# Altium PCB DM1092.PcbDoc (part 4 of 5)
Units mm, origin at the board's own origin, x right, y up, seen from the top; angles counter-clockwise.
Board outline 60 x 45 mm, 6 copper layers (Layer 1, Layer 2, Layer 3, Layer 4, Layer 5, Layer 6), stack 1.599 mm thick; 208 components, 159 nets, 838 pads, 480 vias.
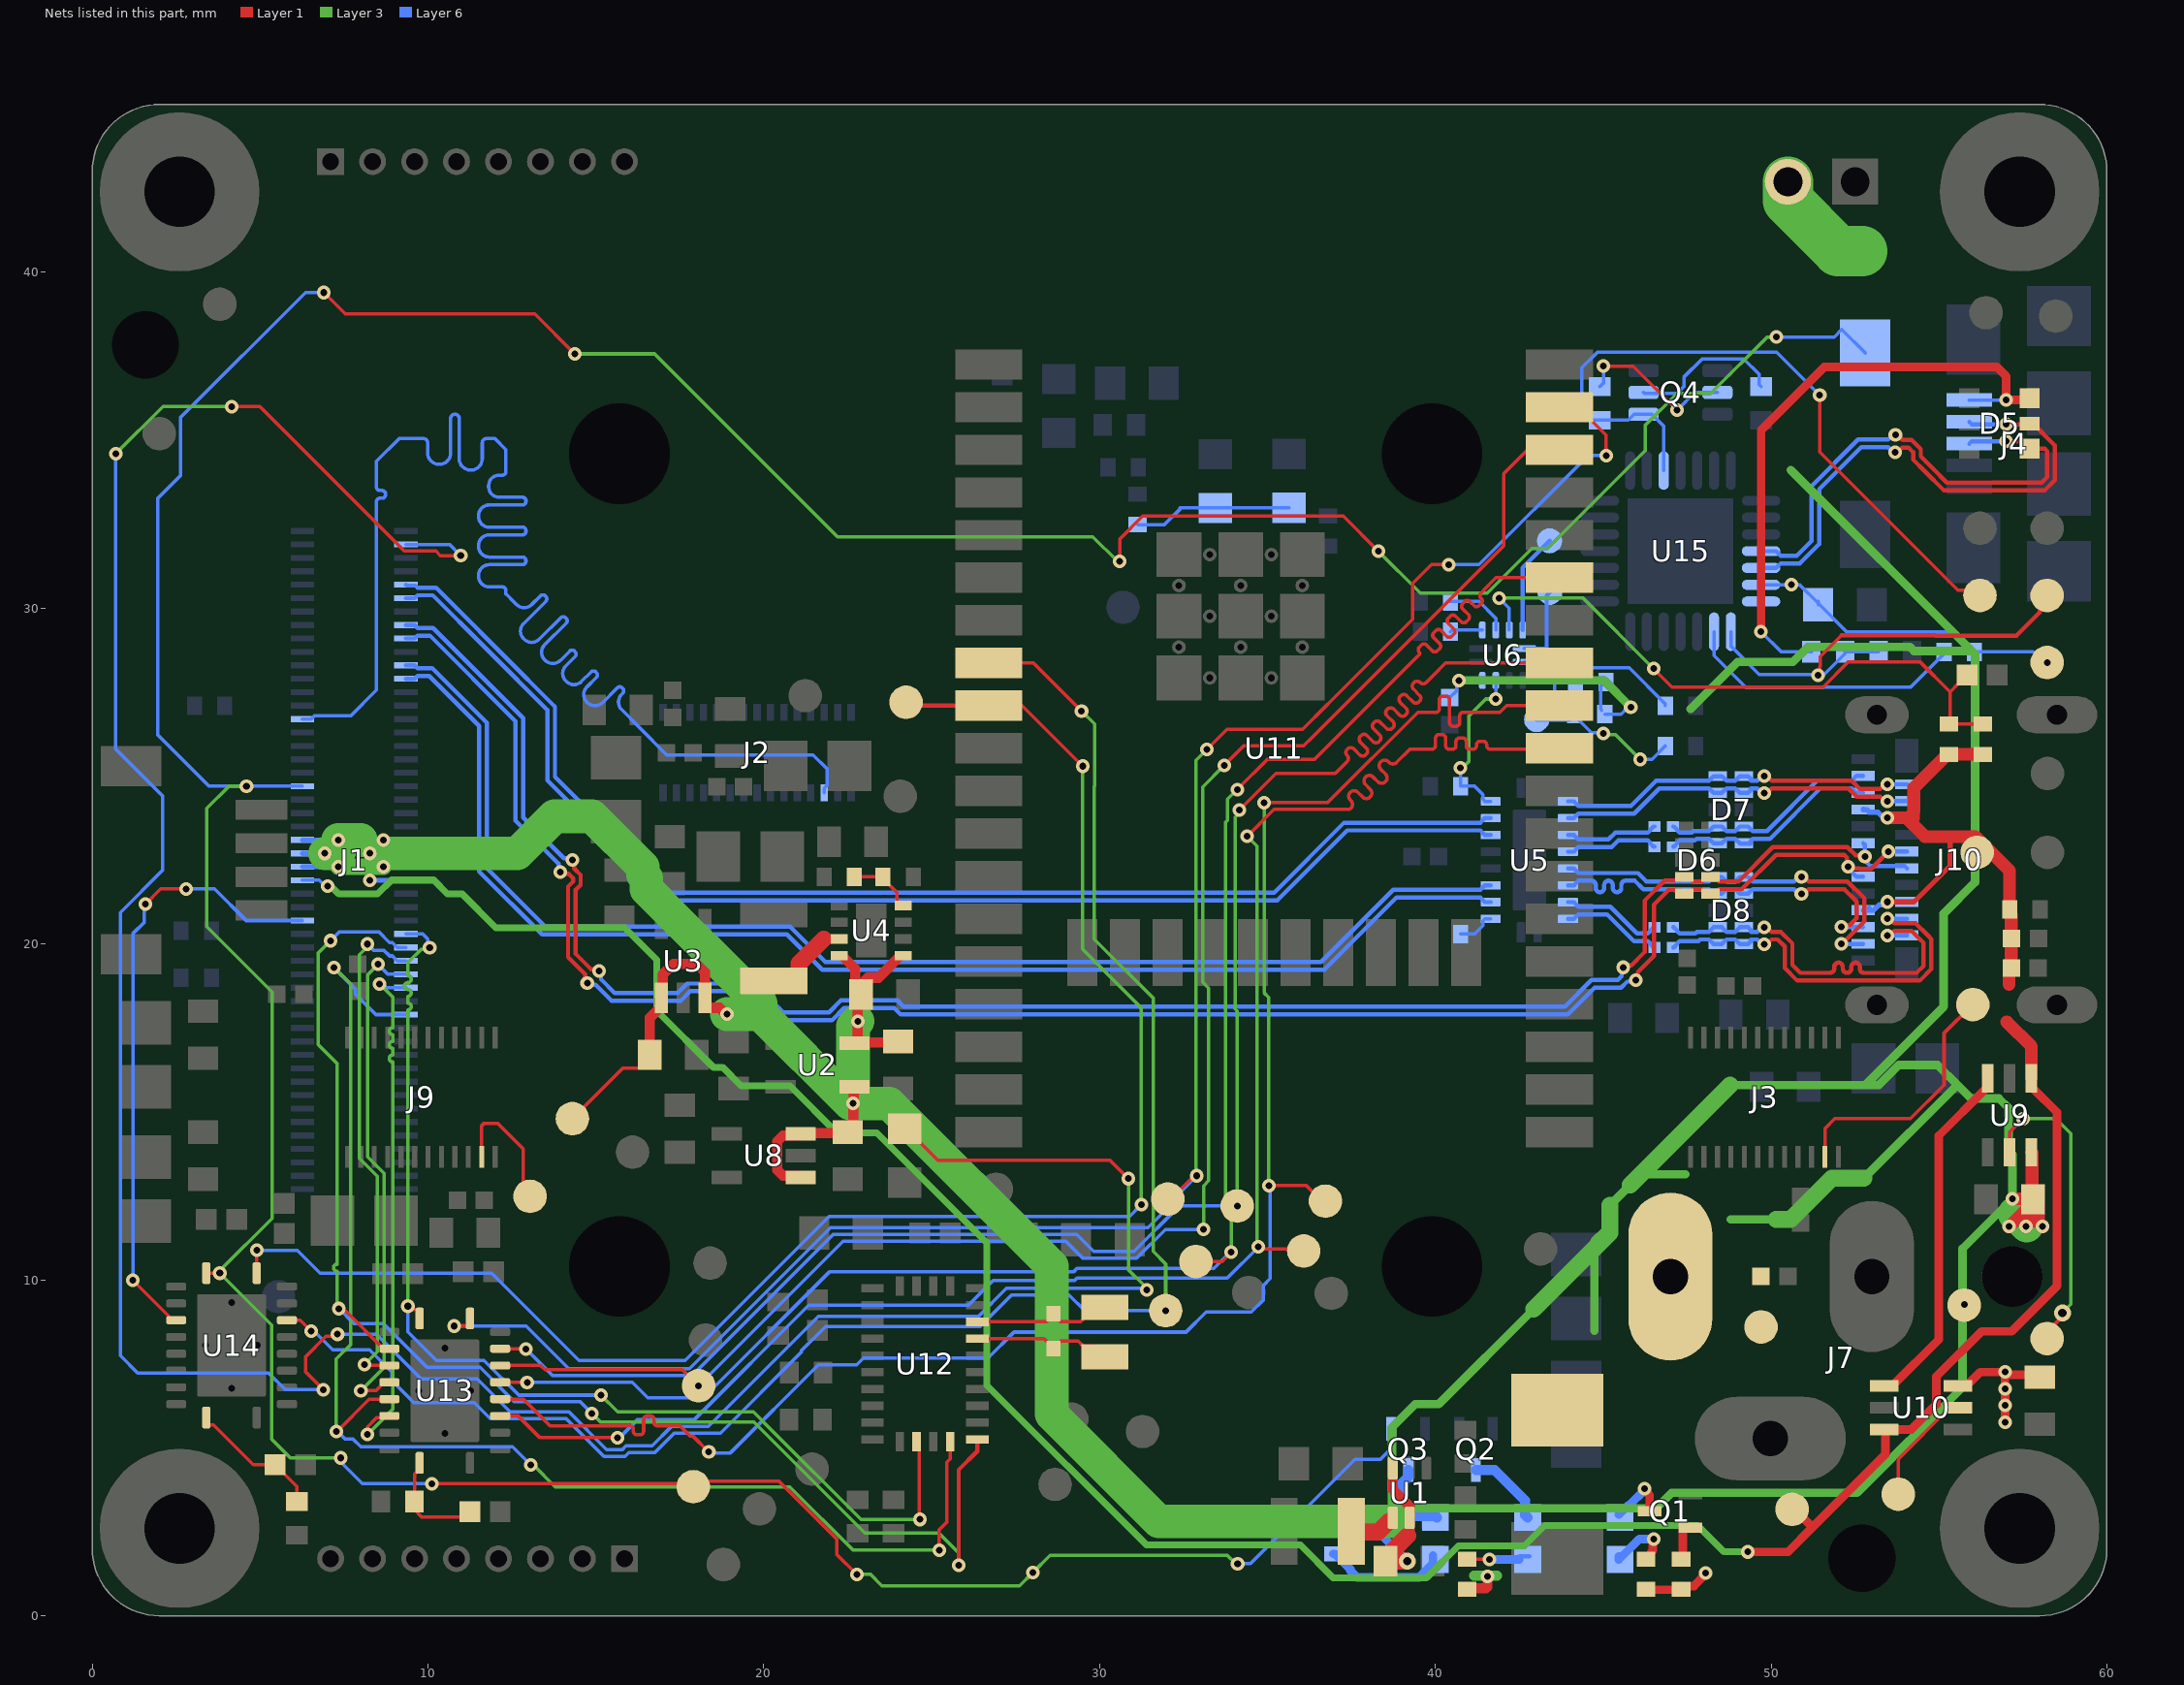
[diagram p8: the nets of this part, all layers, seen from the top]

## Via types
v1: diameter 0.406, hole 0.203, Layer 1 to Layer 6, tented both sides, 457 vias
v2: diameter 0.508, hole 0.254, Layer 1 to Layer 6, 16 vias
v3: diameter 0.508, hole 0.254, Layer 1 to Layer 6, tented both sides, 5 vias
v4: diameter 0.406, hole 0.203, Layer 1 to Layer 6, tented bottom, 2 vias

## Nets (pads, with @x,y where several pads share a name; then routed paths per layer and width w, separated by ;. In a path a pad name is that pad's centre, name@x,y a point inside that pad or via, vN(x,y) a via of type N, cw(c..) or ccw(c..) an arc to the next point about the centre after c; other vN are vias at no path point) (continued)
MIPI_RX5_D1_P: J1.29 J2.3 | length 50.7
  Layer 6 w0.102: J1.29@6.26,26.7 6.52,26.7 6.612,26.792 7.697,26.792 8.466,27.561 8.466,32.893 8.466,33.172 cw(c8.569,33.172) 8.569,33.275 8.632,33.275 ccw(c8.632,33.378) 8.734,33.378 8.734,33.401 ccw(c8.632,33.401) 8.632,33.504 8.569,33.504 cw(c8.569,33.607) 8.466,33.607 8.466,34.372 8.466,34.374 9.134,35.042 9.144,35.052 9.398,35.052 9.863,35.052 cw(c9.863,34.925) 9.99,34.925 9.99,34.626 ccw(c10.333,34.626) 10.676,34.626 10.676,35.649 cw(c10.803,35.649) 10.93,35.649 10.93,34.455 ccw(c11.273,34.455) 11.616,34.455 11.616,34.925 cw(c11.743,34.925) 11.743,35.052 11.902,35.052 11.991,35.052 12.319,34.724 12.319,34.589 12.319,34.066 cw(c12.216,34.066) 12.216,33.963 12.123,33.963 ccw(c12.123,33.644) 11.804,33.644 11.804,33.621 ccw(c12.123,33.621) 12.123,33.303 12.813,33.303 cw(c12.813,33.2) 12.916,33.2 12.916,33.177 cw(c12.813,33.177) 12.813,33.074 11.825,33.074 ccw(c11.825,32.755) 11.506,32.755 11.506,32.732 ccw(c11.825,32.732) 11.825,32.414 12.813,32.414 cw(c12.813,32.311) 12.916,32.311 12.916,32.288 cw(c12.813,32.288) 12.813,32.185 11.825,32.185 ccw(c11.825,31.866) 11.506,31.866 11.506,31.843 ccw(c11.825,31.843) 11.825,31.525 12.813,31.525 cw(c12.813,31.422) 12.916,31.422 12.916,31.399 cw(c12.813,31.399) 12.813,31.296 11.825,31.296 ccw(c11.825,30.977) 11.506,30.977 11.506,30.954 ccw(c11.825,30.954) 11.825,30.636 12.216,30.636 cw(c12.216,30.533) 12.319,30.533 12.319,30.429 12.374,30.374 12.526,30.221 12.638,30.11 ccw(c12.864,30.334) 13.09,30.11 13.348,30.367 ; 13.348,30.368 cw(c13.421,30.295) 13.494,30.368 ; 13.494,30.367 13.509,30.352 ; 13.509,30.206 12.847,29.544 ccw(c13.072,29.318) 12.847,29.092 12.862,29.077 ccw(c13.088,29.301) 13.314,29.077 13.954,29.716 ; 13.51,30.206 ccw(c13.437,30.279) 13.51,30.352 ; 13.954,29.717 cw(c14.027,29.644) 14.1,29.717 ; 14.1,29.716 14.115,29.701 ; 14.115,29.554 13.476,28.915 ccw(c13.701,28.689) 13.476,28.463 13.491,28.448 ccw(c13.717,28.673) 13.943,28.448 14.216,28.722 ; 14.116,29.555 ccw(c14.043,29.628) 14.116,29.7 ; 14.217,28.722 cw(c14.29,28.649) 14.363,28.722 ; 14.363,28.721 14.378,28.707 ; 14.378,28.56 14.104,28.286 ccw(c14.329,28.06) 14.104,27.835 14.12,27.819 ccw(c14.345,28.044) 14.571,27.819 14.853,28.1 ; 14.378,28.706 cw(c14.306,28.633) 14.378,28.56 ; 14.853,28.101 cw(c14.926,28.028) 14.999,28.101 ; 14.999,28.1 15.014,28.085 ; 15.014,27.939 14.733,27.658 ccw(c14.958,27.432) 14.733,27.206 14.748,27.191 ccw(c14.974,27.416) 15.2,27.191 15.638,27.628 ; 15.015,27.939 ccw(c14.942,28.012) 15.015,28.085 ; 15.638,27.629 cw(c15.711,27.556) 15.784,27.629 ; 15.784,27.628 15.799,27.613 ; 15.799,27.467 15.766,27.433 ccw(c15.991,27.208) 15.766,26.982 16.294,26.454 17.114,25.634 21.466,25.634 21.892,25.208 21.892,24.732 21.8,24.64 J2.3@21.8,24.5 ; 15.8,27.467 ccw(c15.727,27.54) 15.8,27.613
MX_INT_1V8: J1.59 U14.4 | length 18.4
  Layer 1 w0.102: v1(1.209,9.987) 1.215,9.987 2.402,8.8 U14.4@2.5,8.8 ; v1(1.585,21.185) 2.042,21.642 v1(2.8,21.642)
  Layer 6 w0.102: v1(1.209,9.987) 1.209,20.309 1.554,20.653 1.554,21.154 v1(1.585,21.185) ; v1(2.8,21.642) 3.643,21.642 4.585,20.7 J1.59@6.26,20.7
MX_INT_3V3: TP36.1 U11.8 U14.17 | length 52.9
  Layer 1 w0.102: U14.17@5.8,8.8 6.195,8.8 v1(6.525,8.47) ; U11.8@26.3,28.37 28.03,28.37 v1(29.464,26.936)
  Layer 3 w0.102: v1(29.464,26.936) 29.85,26.55 29.85,24.702 29.84,24.692 29.84,20.148 31.596,18.391 31.596,10.846 31.969,10.473 v1(31.969,9.086)
  Layer 6 w0.102: v1(6.525,8.47) 6.61,8.47 7.165,7.915 8.265,7.915 8.922,7.258 8.922,7.003 9.371,6.554 ; 9.371,6.553 9.578,6.346 11.377,6.346 11.854,5.869 14.115,5.869 15.24,4.744 15.871,4.744 15.982,4.856 16.755,4.856 17.329,5.43 18.017,5.43 18.091,5.43 18.1,5.44 18.709,5.44 21.115,7.845 21.115,7.887 21.838,8.611 26.441,8.611 27.172,9.341 ; 27.172,9.342 27.379,9.549 29.094,9.549 29.557,9.086 v1(31.969,9.086)
MX_RST_1V8: B1.2 J1.39 Q3.1 TP2.1 U14.1 | length 136.5
  Layer 1 w0.102: U14.1@3.4,10.2 v1(3.8,10.2) ; v1(6.9,39.4) 7.54,38.76 13.181,38.76 v1(14.368,37.574) ; v1(10.117,3.933) TP2.1@17.993,3.933 ; TP2.1@17.901,3.841 TP2.1@17.993,3.933 ; v1(22.769,1.23) 22.168,1.83 22.168,2.289 20.457,4 18.059,4 TP2.1@17.993,3.933 ; v1(30.6,31.4) 30.6,32.06 31.286,32.746 37.254,32.746 v1(38.3,31.7)
  Layer 3 w0.102: v1(4.594,24.7) 4.071,24.7 3.41,24.04 3.41,20.516 5.356,18.571 5.356,11.835 3.8,10.28 v1(3.8,10.2) 5.343,8.657 5.343,5.256 5.899,4.7 v1(7.4,4.7) ; v1(14.368,37.574) 16.752,37.574 22.197,32.129 29.8,32.129 30.529,31.4 v1(30.6,31.4) ; v1(22.769,1.23) 23.179,1.23 23.519,0.891 27.621,0.891 v1(28.015,1.285) 28.531,1.8 33.802,1.8 34.053,1.549 v1(34.112,1.549) ; v1(38.3,31.7) 39.554,30.446 41.545,30.446 42.876,31.777 43.332,31.777 46.253,34.698 46.253,35.454 47.199,36.4 48.205,36.4 49.881,38.076 v1(50.151,38.076)
  Layer 6 w0.102: J1.39@6.26,24.7 v1(4.594,24.7) 3.481,24.7 1.946,26.235 1.946,33.263 2.633,33.951 2.633,35.683 6.35,39.4 v1(6.9,39.4) ; v1(7.4,4.7) 7.453,4.647 7.453,4.528 8.048,3.933 v1(10.117,3.933) ; v1(34.112,1.549) 34.493,1.549 37.601,4.657 38.363,4.657 38.692,4.986 Q3.1@38.692,5.563 ; v1(50.151,38.076) 51.877,38.076 52.101,38.3 B1.2@52.8,37.6
MX_RST_3V3: TP45.1 U11.9 U14.20 | length 50.5
  Layer 1 w0.102: U14.20@4.9,10.2 v1(4.9,10.879) ; U11.9@26.3,27.1 27.693,27.1 v1(29.496,25.298)
  Layer 1 w0.127: TP45.1@23.904,27.296 24.14,27.296 24.336,27.1 U11.9@26.3,27.1
  Layer 3 w0.102: v1(29.496,25.298) 29.496,19.85 31.242,18.104 v1(31.242,12.242)
  Layer 6 w0.102: v1(4.9,10.879) 6.105,10.879 6.787,10.197 11.901,10.197 14.499,7.599 17.653,7.599 21.943,11.889 30.889,11.889 v1(31.242,12.242)
NetC40_2: C40.2 D1.1 J7.1 TP6.1 U9.3 U10.1 | length 10.6
  Layer 1 w0.254: U10.1@53.368,6.847 53.618,6.847 54.991,8.22 54.991,14.291 56.402,15.702 56.402,15.952 U9.3@56.45,16
NetC51_2: C51.2 R39.1 U13.10 | length 3.3
  Layer 1 w0.102: U13.10@9.75,4.55 9.75,4.356 9.677,4.283 9.667,4.283 9.6,4.216 9.6,3.152 9.811,2.941 11.091,2.941 C51.2@11.25,3.1
NetC54_2: C54.2 R40.2 U14.10 | length 4.1
  Layer 1 w0.102: U14.10@3.4,5.9 3.4,5.747 3.461,5.686 3.614,5.686 4.8,4.5 C54.2@5.45,4.5 6.1,3.85 R40.2@6.1,3.4
NetD2_1: D2.1 Q1.3 | length 1.8
  Layer 1 w0.254: v1(46.225,3.782) 46.225,3.741 46.38,3.586 Q1.3@46.38,3.116
  Layer 6 w0.254: D2.1@45.466,3.011 45.739,3.284 45.768,3.284 46.248,3.764 v1@46.248,3.785
NetD2_2: D2.2 R32.1 | length 2
  Layer 1 w0.254: R32.1@46.279,1.745 46.329,1.745 46.427,1.843 46.427,1.893 46.478,1.945 46.478,2.257 v1(46.507,2.286)
  Layer 6 w0.254: D2.2@45.466,1.675 46.077,2.286 v1(46.507,2.286) ; D2.2@45.466,1.761 D2.2@45.496,1.731
NetD3_1: D3.1 Q2.3 | length 2.4
  Layer 6 w0.3: Q2.3@41.207,4.343 41.758,4.343 42.676,3.425 42.676,2.999 D3.1@42.75,2.925
NetD3_2: D3.2 R33.1 | length 1.9
  Layer 1 w0.102: R33.1@40.945,1.687 40.956,1.676 v1(41.605,1.676)
  Layer 6 w0.127: D3.2@42.5,1.775 D3.2@42.8,1.775
  Layer 6 w0.254: v1(41.605,1.676) 42.499,1.676 D3.2@42.5,1.675
NetD4_1: D4.1 Q3.3 | length 2.5
  Layer 6 w0.3: Q3.3@39.192,4.343 39.192,4.138 38.93,3.875 38.93,3.234 39.2,2.964 40.011,2.964 D4.1@40.05,2.925
NetD4_2: D4.2 R34.1 | length 3.7
  Layer 6 w0.254: R34.1@36.957,1.843 37.007,1.843 37.464,1.386 37.464,1.347 37.667,1.145 39.52,1.145 39.929,1.554 D4.2@39.929,1.788
NetJ1_4: J1.4 R36.2 | length 89.7
  Layer 1 w0.102: v1(4.15,36.007) 4.989,36.007 9.294,31.702 10.233,31.702 10.369,31.565 v1(10.973,31.565) ; v1(6.881,6.731) 6.36,7.251 6.36,7.72 6.963,8.323 7.249,8.323 v1(7.307,8.381) ; R36.2@24.2,14.5 24.25,14.5 25.186,13.564 30.309,13.564 v1(30.858,13.015)
  Layer 3 w0.102: v1(0.7,34.6) 2.107,36.007 v1(4.15,36.007) ; v1(30.858,13.015) 30.858,10.303 31.4,9.761 v1(31.4,9.7)
  Layer 6 w0.102: v1(0.7,34.6) 0.7,25.81 1.81,24.7 2.1,24.41 2.1,22.201 0.839,20.939 0.839,7.747 1.355,7.23 5.25,7.23 5.749,6.731 v1(6.881,6.731) ; v1(7.307,8.381) 8.471,8.381 9.798,7.054 11.463,7.054 12.446,6.071 14.199,6.071 15.323,4.946 15.788,4.946 15.899,5.057 16.671,5.057 17.246,5.632 17.933,5.632 18.007,5.632 18.017,5.642 18.354,5.642 21.628,8.915 26.396,8.915 27.231,9.751 31.349,9.751 v1(31.4,9.7) ; J1.4@9.34,31.9 10.165,31.9 10.639,31.9 v1(10.973,31.565)
NetL1_1: L1.1 U4.7 | length 2.7
  Layer 1 w0.2: 21.781,20.15 U4.7@22.25,20.15
  Layer 1 w0.5: L1.1@20.3,18.9 20.9,18.9 21.05,19.05 21.05,19.419 21.781,20.15
NetL2_1: L2.1 U1.4 | length 1.2
  Layer 1 w0.5: L2.1@37.567,2.489 38.295,2.489 U1.4@38.617,2.811
NetQ1_1: Q1.1 R31.1 | length 1.2
  Layer 1 w0.254: R31.1@47.32,1.687 47.372,1.739 47.372,2.593 47.395,2.616 Q1.1@47.6,2.616
NetQ4_2: Q4.2 R46.1 | length 4.8
  Layer 1 w0.102: v1(45.003,37.211) 45.889,37.211 v1(47.2,35.9)
  Layer 6 w0.102: R46.1@44.9,36.6 45.003,36.703 v1(45.003,37.211) ; v1(47.2,35.9) 47.725,36.425 Q4.2@48.4,36.425
NetQ4_5: Q4.5 R43.2 | length 4.6
  Layer 6 w0.102: Q4.5@46.2,36.425 46.225,36.4 47.2,36.4 47.4,36.6 47.4,36.88 47.946,37.426 49.181,37.426 49.638,36.968 49.638,36.662 R43.2@49.7,36.6
NetR4_2: R4.2 R24.1 R26.1 | length 4.7
  Layer 6 w0.102: R4.2@31.138,32.492 31.938,32.492 32.388,32.942 32.388,32.992 33.988,32.992 34.038,32.992 R24.1@35.638,32.992
NetR7_1: R7.1 R8.2 U4.4 | length 2
  Layer 1 w0.102: R7.1@22.7,22 R8.2@23.55,22 23.55,21.95 23.963,21.537 23.963,21.227 24.04,21.15 U4.4@24.15,21.15
NetR12_1: R12.1 U5.2 | length 1.2
  Layer 6 w0.102: R12.1@40.75,20.3 41.165,20.3 41.413,20.548 41.413,20.689 41.475,20.75 U5.2@41.65,20.75
NetR13_1: R13.1 U5.9 U6.11 | length 5
  Layer 3 w0.102: v1(40.75,25.25) 40.814,25.25 40.991,25.428 40.991,26.784 41.504,27.297 41.797,27.297 v1(41.8,27.3)
  Layer 6 w0.102: v1(40.75,25.25) R13.1@40.75,24.7 41.165,24.7 41.413,24.452 41.413,24.312 41.475,24.25 U5.9@41.65,24.25 ; v1(41.8,27.3) U6.11@41.8,27.85
NetR18_1: R18.1 R20.1 TP23.1 U6.7 | length 7.1
  Layer 6 w0.102: U6.7@42.65,28.8 43.313,28.8 43.658,28.455 43.658,28.369 44.05,27.977 44.05,27.85 44.177,27.85 44.553,28.226 45.774,28.226 46.85,27.15 R18.1@46.85,27.1
  Layer 6 w0.127: 43.313,28.8 43.313,30.378 TP23.1@43.411,30.476
NetR19_1: R19.1 R21.1 TP22.1 U6.8 | length 7.1
  Layer 3 w0.102: v1(45.003,26.27) 45.032,26.241 45.359,26.241 v1(46.1,25.5)
  Layer 6 w0.102: U6.8@42.65,28.4 43.152,28.4 43.55,28.002 43.55,27.318 43.829,27.039 43.973,27.039 43.986,27.026 R21.1@43.986,26.882 ; R21.1@44.02,26.798 44.147,26.798 44.648,26.298 44.975,26.298 v1(45.003,26.27) ; v1(46.1,25.5) 46.45,25.5 R19.1@46.85,25.9
  Layer 6 w0.127: TP22.1@43.018,26.684 43.986,26.684 44.02,26.718 R21.1@44.02,26.798 ; R21.1@43.986,26.882 R21.1@44.02,26.848
NetR42_2: R42.2 R44.2 TP60.1 U15.8 | length 13.5
  Layer 1 w0.102: v1(51.4,28.008) 51.45,28.059 51.45,28.258 51.458,28.266 51.458,28.558 52.1,29.199
  Layer 1 w0.127: 52.1,29.199 54.886,29.199 54.9,29.185 57.305,29.185 57.999,29.88 57.999,29.927 58.172,30.099 TP60.1@58.219,30.099
  Layer 6 w0.102: U15.8@48.8,29.3 48.8,28.875 49.648,28.027 51.577,28.027 52.2,28.65 R42.2@52.2,28.7 R44.2@53.2,28.7
NetR45_2: R45.2 U15.9 | length 8.4
  Layer 6 w0.102: U15.9@48.3,29.3 48.3,28.591 49.237,27.654 54.154,27.654 55.15,28.65 R45.2@55.15,28.7
NetTP20_1: TP20.1 U9.5 | length 9.2
  Layer 1 w0.102: U9.5@57.1,13.8 57.1,14.4 v1(57.5,14.8) ; TP20.1@58.219,8.255 58.219,8.452 58.674,8.907 v3(58.674,9.017)
  Layer 3 w0.102: v1(57.5,14.8) 58.479,14.8 58.928,14.351 58.928,9.271 v3(58.674,9.017)
NetTP21_1: TP21.1 U6.6 | length 3
  Layer 6 w0.127: U6.6@42.6,29.35 42.6,31.205 TP21.1@43.403,32.008
NetTP24_1: TP24.1 U10.5 | length 3.5
  Layer 1 w0.102: TP24.1@53.786,3.619 53.786,4.665 55.318,6.197 U10.5@55.568,6.197
RTS: Q4.4 R46.2 TP58.1 U15.24 | length 21.5
  Layer 1 w0.102: v1(51.447,36.344) 51.447,34.653 55.567,30.533 56.069,30.533 TP58.1@56.219,30.383
  Layer 6 w0.102: U15.24@46.8,34.1 46.8,35.425 46.45,35.775 45.923,35.775 45.748,35.6 R46.2@44.9,35.6 44.423,35.6 44.363,35.66 44.363,37.164 44.818,37.619 47.487,37.619 47.495,37.627 50.164,37.627 v1(51.447,36.344)
RXB_N: D7.2 D7.9 J10.B10 U5.13 | length 11
  Layer 1 w0.127: v1(49.8,24.497) 49.875,24.497 50.014,24.636 52.302,24.636 52.546,24.392 53.245,24.392 53.381,24.256 v1(53.457,24.256)
  Layer 6 w0.127: U5.13@43.95,23.75 44.125,23.75 44.261,23.886 45.919,23.886 46.669,24.636 48.149,24.636 48.285,24.5 D7.9@48.41,24.5 48.535,24.5 48.671,24.636 48.929,24.636 49.065,24.5 D7.2@49.19,24.5 49.315,24.5 49.401,24.586 49.401,24.631 49.406,24.636 49.586,24.636 49.725,24.497 v1(49.8,24.497) ; v1(53.457,24.256) J10.B10@54.041,24.256
RXB_P: D7.1 D7.10 J10.B11 U5.12 | length 11
  Layer 1 w0.127: v1(49.8,25.003) 49.875,25.003 50.014,24.864 52.397,24.864 52.641,24.621 53.245,24.621 53.381,24.756 v1(53.457,24.756)
  Layer 6 w0.127: U5.12@43.95,24.25 44.125,24.25 44.261,24.114 45.825,24.114 46.575,24.864 48.149,24.864 48.285,25 D7.10@48.41,25 48.535,25 48.671,24.864 48.929,24.864 49.065,25 D7.1@49.19,25 49.315,25 49.401,24.913 49.401,24.869 49.406,24.864 49.586,24.864 49.725,25.003 v1(49.8,25.003) ; v1(53.457,24.756) J10.B11@54.041,24.756
RXC_N: D8.2 D8.9 J10.A10 U5.17 | length 11.8
  Layer 1 w0.127: v1(50.9,21.494) 50.975,21.494 51.114,21.632 52.179,21.632 52.545,21.267 52.545,20.769 52.34,20.564 v1@52.22,20.564 ; v1(52.091,20.51) v1@52.118,20.51
  Layer 6 w0.127: U5.17@43.95,21.75 44.125,21.75 44.261,21.886 44.332,21.886 44.649,21.886 cw(c44.649,21.759) 44.776,21.759 44.776,21.672 ccw(c44.903,21.672) 45.03,21.672 45.03,21.759 cw(c45.157,21.759) 45.284,21.759 45.284,21.672 ccw(c45.411,21.672) 45.538,21.672 45.538,21.759 cw(c45.665,21.759) 45.665,21.886 45.941,21.886 46.164,21.662 46.191,21.636 46.228,21.636 48.149,21.636 48.285,21.5 48.535,21.5 48.671,21.636 48.929,21.636 49.065,21.5 49.315,21.5 49.451,21.636 49.968,21.636 49.972,21.633 50.686,21.633 50.825,21.494 v1(50.9,21.494) ; v1(52.091,20.51) 52.093,20.508 52.739,20.508 J10.A10@52.741,20.506
RXC_P: D8.1 D8.10 J10.A11 U5.16 | length 11.8
  Layer 1 w0.127: v1(50.9,22) 50.975,22 51.114,21.861 52.274,21.861 52.773,21.362 52.773,20.674 52.102,20.002 v1(52.091,20.002)
  Layer 6 w0.127: U5.16@43.95,22.25 44.125,22.25 44.261,22.114 46.035,22.114 46.285,21.864 48.149,21.864 48.285,22 48.535,22 48.671,21.864 48.929,21.864 49.065,22 49.315,22 49.451,21.864 50.063,21.864 50.066,21.861 50.686,21.861 50.825,22 v1(50.9,22) ; v1(52.091,20.002) 52.093,20.004 52.739,20.004 J10.A11@52.741,20.006
SPI0_CS_0: J1.70 U13.7 | length 16.1
  Layer 1 w0.102: v1(8.2,5.4) 8.2,5.624 8.469,5.894 8.794,5.894 U13.7@8.85,5.95
  Layer 3 w0.102: v1(8.2,5.4) 8.949,6.149 8.949,16.086 8.949,16.289 8.949,16.492 cw(c8.949,16.594) 8.949,16.695 8.949,16.898 cw(c8.949,17) 8.949,17.102 8.949,17.305 cw(c8.949,17.406) 8.949,17.508 8.949,17.711 8.949,17.821 8.949,18.42 8.559,18.81 v1(8.552,18.81)
  Layer 6 w0.102: v1(8.552,18.81) 8.655,18.81 8.765,18.7 J1.70@9.34,18.7
SPI0_SCK: J1.74 U12.19 U13.6 | length 41.7
  Layer 1 w0.102: v1(7.269,5.487) 7.288,5.487 8.251,6.45 U13.6@8.85,6.45 ; v1(25.222,1.956) 25.222,2.558 25.451,2.786 25.451,4.569 25.549,4.667 U12.19@25.549,5.105
  Layer 3 w0.102: v1(7.2,19.3) 7.703,18.797 7.703,8.073 7.269,7.64 v1(7.269,5.487) ; v1(13.056,4.496) 13.132,4.496 13.792,3.835 17.221,3.835 20.777,3.835 22.657,1.956 v1(25.222,1.956)
  Layer 6 w0.102: v1(7.2,19.3) 7.848,18.652 7.848,18.502 8.45,17.9 J1.74@9.34,17.9 ; v1(7.269,5.487) 7.308,5.487 7.54,5.256 7.775,5.256 8.001,5.029 12.522,5.029 v1(13.056,4.496)
SPI0_SIO0: J1.62 U12.17 U13.1 | length 34
  Layer 1 w0.102: v1@9.347,9.347 9.384,9.309 9.491,9.309 9.491,9.202 9.582,9.112 9.688,9.112 9.75,9.05 U13.1@9.75,8.85 ; U12.17@24.55,5.187 24.624,5.113 24.624,4.894 24.627,4.891 24.627,2.885 v1(24.645,2.867)
  Layer 3 w0.102: v1(9.4,9.218) 9.4,17.837 9.4,18.04 ccw(c9.4,18.141) 9.4,18.243 9.4,18.446 ccw(c9.4,18.548) 9.4,18.649 cw(c9.4,18.751) 9.4,18.853 ccw(c9.4,18.954) 9.4,19.056 9.4,19.259 9.4,19.448 9.796,19.844 10.004,19.844 v1(10.05,19.89) ; v1(15.148,6.569) 15.646,6.071 19.691,6.071 20.174,5.588 22.894,2.867 v1(24.645,2.867)
  Layer 6 w0.102: J1.62@9.34,20.3 9.842,20.3 9.992,20.151 9.992,19.948 v1(10.05,19.89) ; v1(9.4,9.218) 9.4,8.456 10.25,7.606 11.672,7.606 12.709,6.569 v1(15.148,6.569)
SPI0_SIO1: J1.64 U12.20 U13.3 | length 41.7
  Layer 1 w0.102: v1(7.349,9.145) 7.421,9.072 7.548,9.072 8.67,7.95 U13.3@8.75,7.95
  Layer 1 w0.127: v1(25.806,1.499) 25.806,4.343 26.363,4.9 U12.20@26.363,5.25
  Layer 3 w0.102: v1(7.1,20.1) 6.733,19.733 6.733,17.005 7.287,16.452 7.287,11.652 7.287,11.481 7.287,11.278 7.287,11.075 7.287,10.872 7.287,10.668 7.287,10.465 ccw(c7.287,10.364) 7.287,10.262 7.287,10.059 7.287,9.856 7.287,9.206 v1(7.349,9.145) ; v1(14.884,6.02) 15.138,5.766 19.71,5.766 23.012,2.464 25.215,2.464 25.806,1.873 v1(25.806,1.499)
  Layer 6 w0.102: v1(7.1,20.1) 7.354,20.354 8.546,20.354 8.854,20.046 8.933,20.046 9.08,19.9 J1.64@9.34,19.9 ; v1(7.349,9.145) 7.79,8.703 8.662,8.703 9.971,7.394 11.554,7.394 12.581,6.367 14.537,6.367 v1(14.884,6.02)
SPI0_SIO2: J1.66 U13.4 | length 15.1
  Layer 1 w0.102: v1(8.105,7.475) 8.118,7.463 8.838,7.463 U13.4@8.85,7.45
  Layer 3 w0.102: v1(8.105,7.475) 8.492,7.861 8.492,13.084 7.958,13.618 7.958,19.685 8.2,19.927 v1(8.2,20)
  Layer 6 w0.102: v1(8.2,20) 8.382,19.818 8.687,19.818 8.858,19.646 8.933,19.646 9.08,19.5 J1.66@9.34,19.5
SPI0_SIO3: J1.68 U13.5 | length 15.2
  Layer 1 w0.102: v1(8,6.7) 8.45,6.7 8.725,6.975 U13.5@8.75,6.95
  Layer 3 w0.102: v1(8,6.7) 8.693,7.393 8.693,13.167 8.198,13.663 8.198,19.084 v1(8.514,19.4)
  Layer 6 w0.102: v1(8.514,19.4) 8.514,19.386 8.8,19.1 J1.68@9.34,19.1
STRB2: J9.14 TP18.1 | length 3.9
  Layer 1 w0.102: J9.14@11.6,13.663 11.6,14.594 11.659,14.653 12.085,14.653 12.838,13.9 TP18.1@12.838,12.488
STROBE1: J3.14 TP5.1 | length 7.7
  Layer 1 w0.102: J3.14@51.6,13.663 51.6,14.5 51.9,14.8 54.15,14.8 55.15,15.8 55.15,17.35 TP5.1@56,18.2
TXB1_N: C32.2 U5.15 | length 2.8
  Layer 6 w0.127: U5.15@43.95,22.75 44.125,22.75 44.261,22.886 45.249,22.886 45.449,23.086 46.329,23.086 46.404,23.011 46.404,22.996 46.5,22.9 C32.2@46.52,22.9
TXB1_P: C31.2 U5.14 | length 2.8
  Layer 6 w0.127: U5.14@43.95,23.25 44.125,23.25 44.261,23.114 45.155,23.114 45.355,23.314 46.329,23.314 46.404,23.389 46.404,23.404 46.5,23.5 C31.2@46.52,23.5
TXB_N: C32.1 D7.5 D7.6 J10.A3 | length 6.7
  Layer 6 w0.127: C32.1@47.08,22.9 47.1,22.9 47.197,22.996 47.197,23.011 47.271,23.086 47.729,23.086 47.779,23.136 48.149,23.136 48.285,23 48.535,23 48.671,23.136 48.929,23.136 49.08,22.985 49.19,22.985 49.378,22.985 49.378,23.063 49.451,23.136 49.966,23.136 51.472,24.642 52.405,24.642 52.541,24.506 J10.A3@52.741,24.506
TXB_P: C31.1 D7.4 D7.7 J10.A2 | length 6.7
  Layer 6 w0.127: C31.1@47.08,23.5 47.1,23.5 47.197,23.404 47.197,23.389 47.271,23.314 47.634,23.314 47.684,23.364 48.149,23.364 48.285,23.5 48.535,23.5 48.671,23.364 48.929,23.364 49.065,23.5 49.315,23.5 49.451,23.364 49.871,23.364 51.377,24.871 52.405,24.871 52.541,25.006 J10.A2@52.741,25.006
TXC1_N: C34.2 U5.19 | length 3
  Layer 6 w0.127: U5.19@43.95,20.75 44.125,20.75 44.261,20.886 45.114,20.886 45.914,20.086 46.329,20.086 46.404,20.011 46.404,19.997 46.5,19.9 C34.2@46.52,19.9
TXC1_P: C33.2 U5.18 | length 3
  Layer 6 w0.127: U5.18@43.95,21.25 44.125,21.25 44.261,21.114 45.209,21.114 46.009,20.314 46.329,20.314 46.404,20.389 46.404,20.404 46.5,20.5 C33.2@46.52,20.5
TXC_N: C34.1 D8.5 D8.6 J10.B3 | length 12.2
  Layer 1 w0.127: v1(49.8,19.997) 49.875,19.997 50.014,20.136 50.194,20.136 50.405,19.924 50.405,19.287 50.778,18.914 54.425,18.914 54.769,19.257 54.769,20.152 54.651,20.271 54.301,20.621 53.668,20.621 53.532,20.756 v1(53.457,20.756)